# Altium PCB BatteryMonitor1try.PcbDoc (continued)
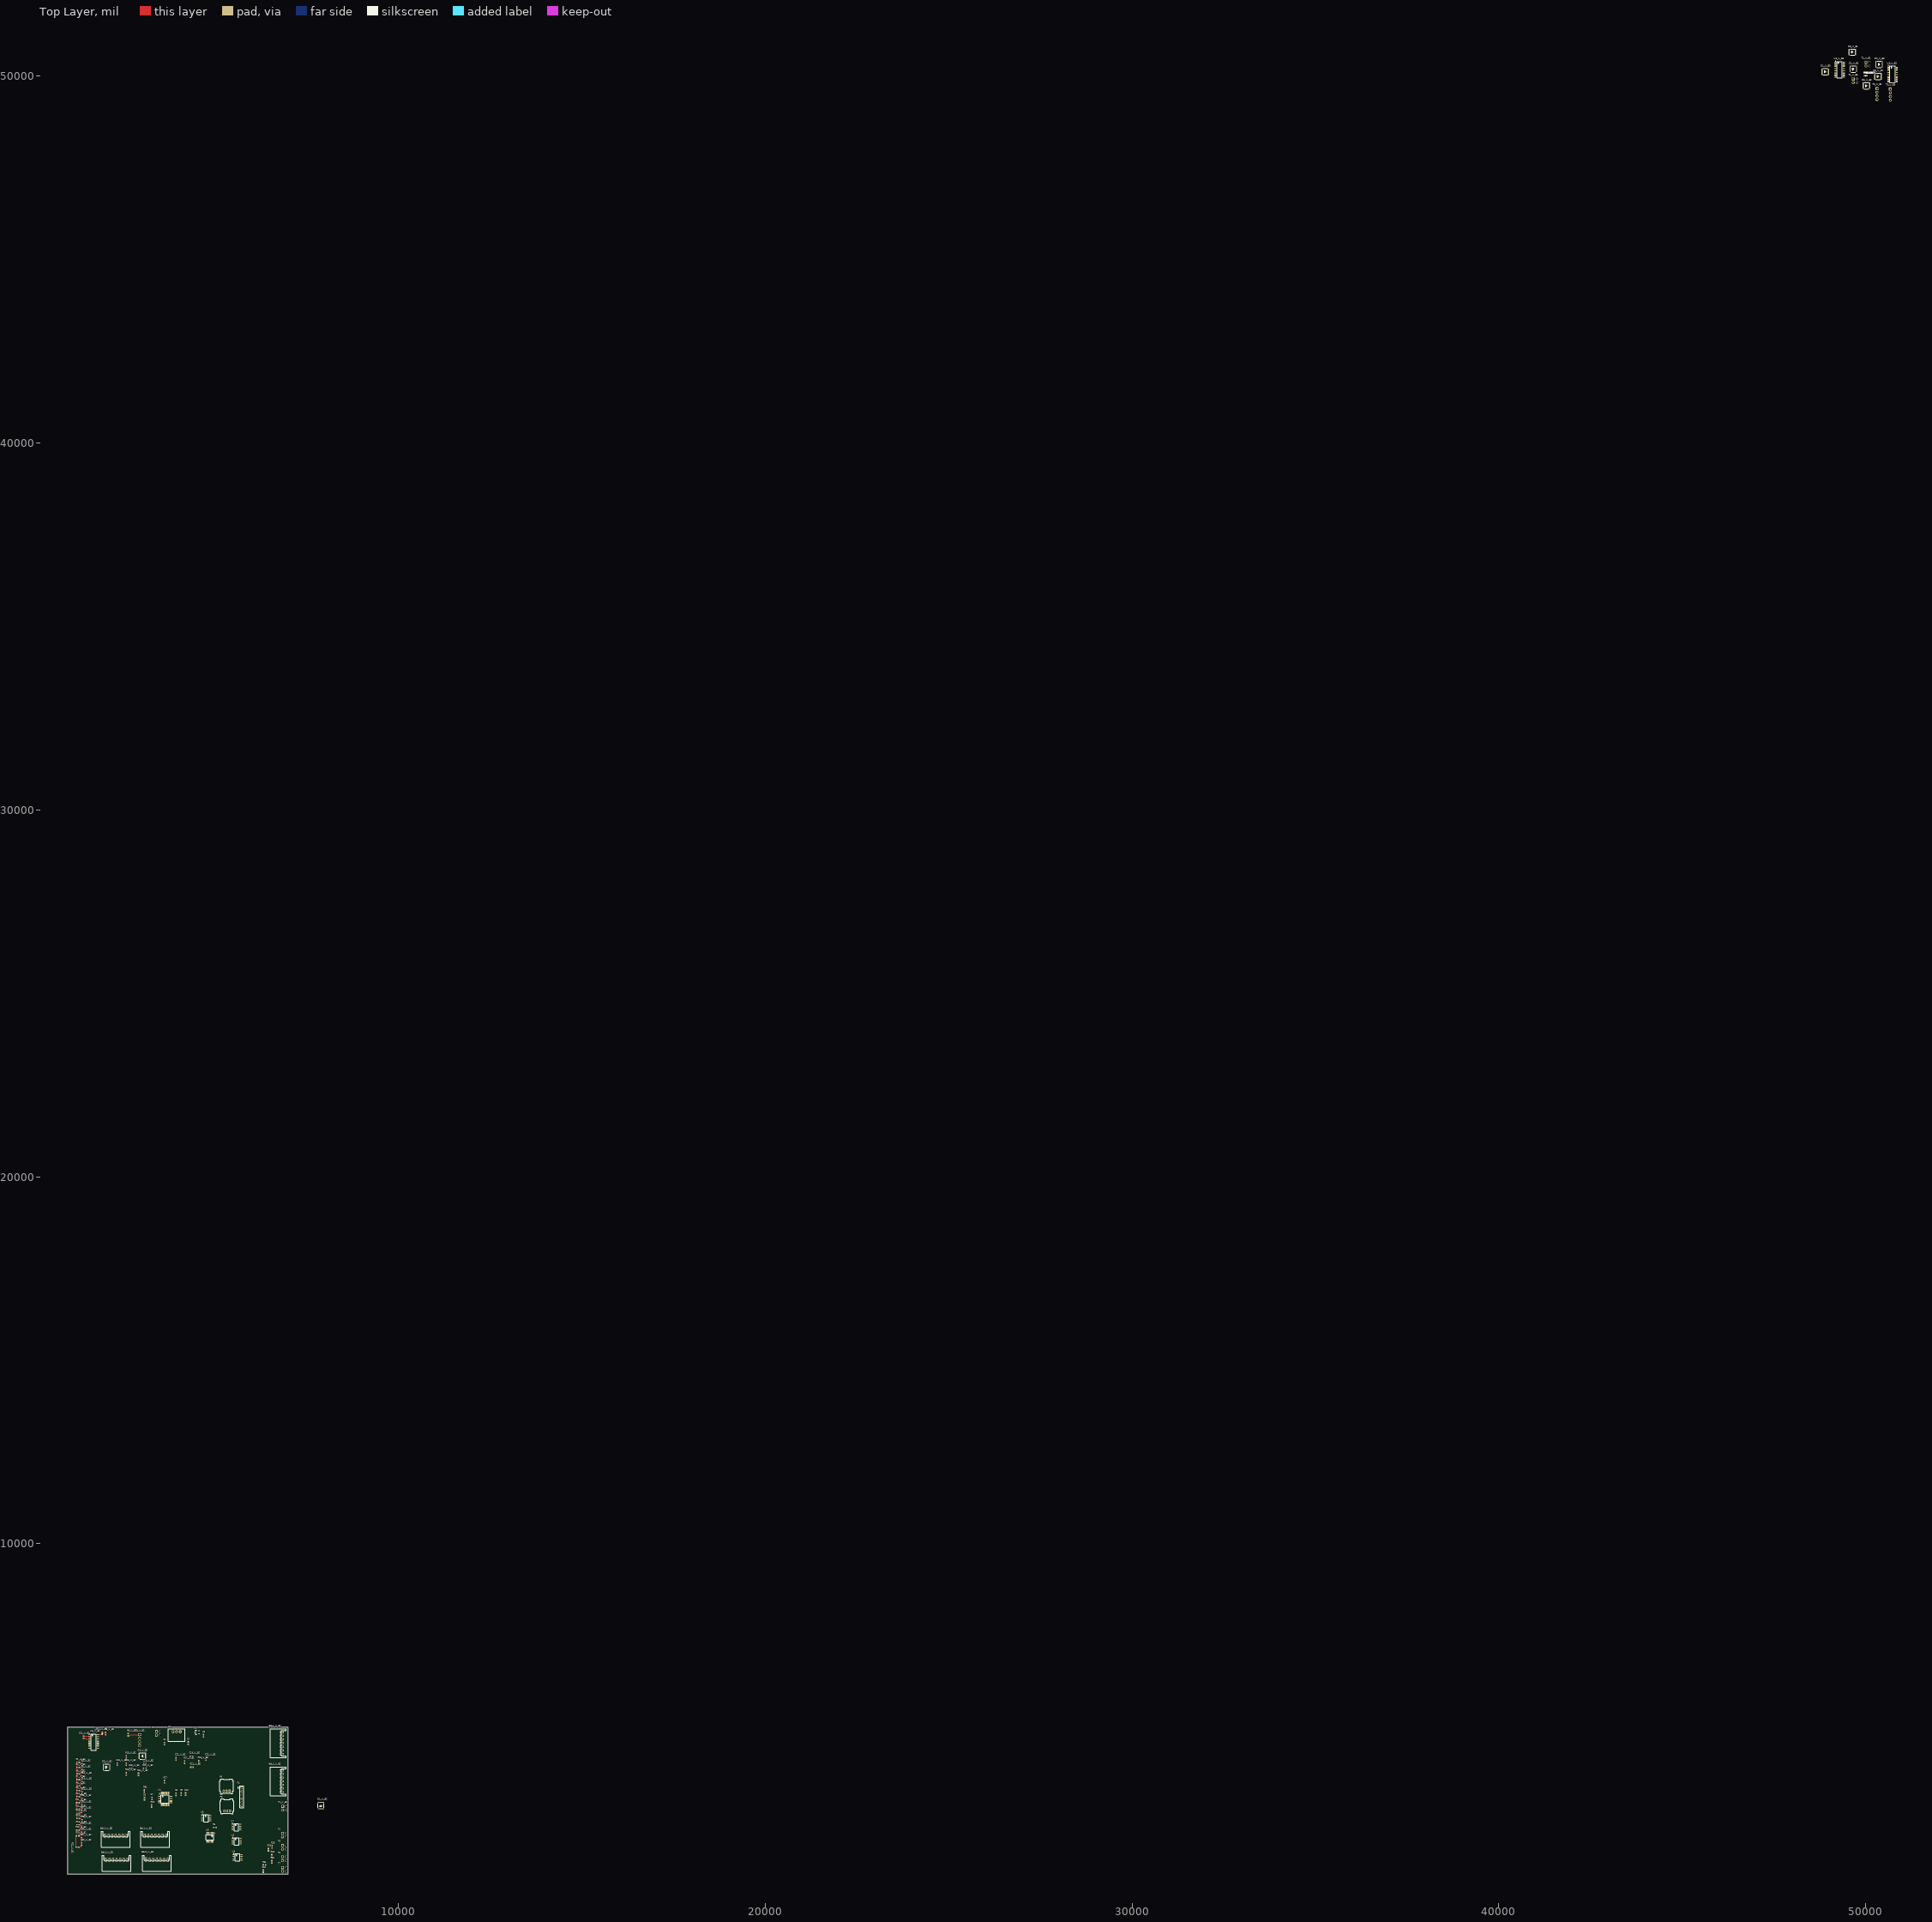
[diagram p0: Top Layer view]
## Components (designator, comment, footprint, x,y, rotation, side; value= is the part's Value field where it differs from the comment) (continued)
LED1_U_B2 "LED" LED0603 1945,4835 r90 top (schematic designator LED1)
LED1_U_B3 "LED" LED0603 49999.5,49999.5 r0 top (schematic designator LED1)
P4 "SWD" SWD_STM32 5745,3355 r0 top
P5 "RS485" MOLEX-HDR-1X3-SHERLOCK-RA 5425,2720 r0 top
P6 "RS485_I" MOLEX-HDR-1X3-SHERLOCK-RA 5410,3265 r0 top
R1_U_B1 "Res" RES0603 49999.5,49999.5 r0 top (schematic designator R1)
R1_U_B2 "Res" RES0603 1285,4040 r0 top (schematic designator R1)
R1_U_B3 "Res" RES0603 49999.5,49999.5 r0 top (schematic designator R1)
R2_U_B1 "Res" RES0603 49999.5,49999.5 r0 top (schematic designator R2)
R2_U_B2 "Res" RES0603 2035,4835 r270 top (schematic designator R2)
R2_U_B3 "Res" RES0603 49999.5,49999.5 r0 top (schematic designator R2)
R3 "Res" RES0603 5015,2275 r0 top
R4_U_B1 "Res" RES0603 49999.5,49999.5 r0 top (schematic designator R4)
R4_U_B2 "Res" RES0603 1285,3910 r0 top (schematic designator R4)
R4_U_B3 "Res" RES0603 49999.5,49999.5 r0 top (schematic designator R4)
R5_U_B1 "Res" RES0603 49999.5,49999.5 r0 top (schematic designator R5)
R5_U_B2 "Res" RES0603 1290,3735 r0 top (schematic designator R5)
R5_U_B3 "Res" RES0603 49999.5,49999.5 r0 top (schematic designator R5)
R6_U_B1 "Res" RES0603 49999.5,49999.5 r0 top (schematic designator R6)
R6_U_B2 "Res" RES0603 2650,4800 r90 top (schematic designator R6)
R6_U_B3 "Res" RES0603 49999.5,49999.5 r0 top (schematic designator R6)
R7_U_B1 "Res" RES0603 49999.5,49999.5 r0 top (schematic designator R7)
R7_U_B2 "Res" RES0603 1285,3575 r0 top (schematic designator R7)
R7_U_B3 "Res" RES0603 49999.5,49999.5 r0 top (schematic designator R7)
R8_U_B1 "Res" RES0603 49999.5,49999.5 r0 top (schematic designator R8)
R8_U_B2 "Res" RES0603 1290,3405 r0 top (schematic designator R8)
R8_U_B3 "Res" RES0603 49999.5,49999.5 r0 top (schematic designator R8)
R9_U_B1 "Res" RES0603 49999.5,49999.5 r0 top (schematic designator R9)
R9_U_B2 "Res" RES0603 1285,3275 r0 top (schematic designator R9)
R9_U_B3 "Res" RES0603 49999.5,49999.5 r0 top (schematic designator R9)
R10_U_B1 "Res" RES0603 49999.5,49999.5 r0 top (schematic designator R10)
R10_U_B2 "Res" RES0603 1285,3115 r0 top (schematic designator R10)
R10_U_B3 "Res" RES0603 49999.5,49999.5 r0 top (schematic designator R10)
R11_U_B1 "Res" RES0603 49999.5,49999.5 r0 top (schematic designator R11)
R11_U_B2 "Res" RES0603 1280,2945 r0 top (schematic designator R11)
R11_U_B3 "Res" RES0603 49999.5,49999.5 r0 top (schematic designator R11)
R12_U_B1 "Res" RES0603 49999.5,49999.5 r0 top (schematic designator R12)
R12_U_B2 "Res" RES0603 1280,2770 r0 top (schematic designator R12)
R12_U_B3 "Res" RES0603 49999.5,49999.5 r0 top (schematic designator R12)
R13_U_B1 "Res" RES0603 49999.5,49999.5 r0 top (schematic designator R13)
R13_U_B2 "Res" RES0603 2595,4190 r90 top (schematic designator R13)
R13_U_B3 "Res" RES0603 49999.5,49999.5 r0 top (schematic designator R13)
R14_U_B1 "Res" RES0603 49999.5,49999.5 r0 top (schematic designator R14)
R14_U_B2 "Res" RES0603 1285,2650 r0 top (schematic designator R14)
R14_U_B3 "Res" RES0603 49999.5,49999.5 r0 top (schematic designator R14)
R15_U_B1 "Res" RES0603 49999.5,49999.5 r0 top (schematic designator R15)
R15_U_B2 "Res" RES0603 1285,2520 r0 top (schematic designator R15)
R15_U_B3 "Res" RES0603 49999.5,49999.5 r0 top (schematic designator R15)
R16_U_B1 "Res" RES0603 49999.5,49999.5 r0 top (schematic designator R16)
R16_U_B2 "Res" RES0603 1285,2345 r0 top (schematic designator R16)
R16_U_B3 "Res" RES0603 49999.5,49999.5 r0 top (schematic designator R16)
R17_U_B1 "Res" RES0603 49999.5,49999.5 r0 top (schematic designator R17)
R17_U_B2 "Res" RES0603 4190,4050 r90 top (schematic designator R17)
R17_U_B3 "Res" RES0603 49999.5,49999.5 r0 top (schematic designator R17)
R18_U_B1 "Res" RES0603 49999.5,49999.5 r0 top (schematic designator R18)
R18_U_B2 "Res" RES0603 4570,4060 r90 top (schematic designator R18)
R18_U_B3 "Res" RES0603 49999.5,49999.5 r0 top (schematic designator R18)
R19_U_B1 "Res" RES0603 49999.5,49999.5 r0 top (schematic designator R19)
R19_U_B2 "Res" RES0603 1280,2195 r0 top (schematic designator R19)
R19_U_B3 "Res" RES0603 49999.5,49999.5 r0 top (schematic designator R19)
R20_U_B1 "Res" RES0603 49999.5,49999.5 r0 top (schematic designator R20)
R20_U_B2 "Res" RES0603 1275,2045 r0 top (schematic designator R20)
R20_U_B3 "Res" RES0603 49999.5,49999.5 r0 top (schematic designator R20)
R21_U_B1 "Res" RES0603 49999.5,49999.5 r0 top (schematic designator R21)
R21_U_B2 "Res" RES0603 4390,3915 r180 top (schematic designator R21)
R21_U_B3 "Res" RES0603 49999.5,49999.5 r0 top (schematic designator R21)
R22_U_B1 "Res" RES0603 49999.5,49999.5 r0 top (schematic designator R22)
R22_U_B2 "Res" RES0603 1265,1735 r0 top (schematic designator R22)
R22_U_B3 "Res" RES0603 49999.5,49999.5 r0 top (schematic designator R22)
R23_U_B1 "Res" RES0603 49999.5,49999.5 r0 top (schematic designator R23)
R23_U_B2 "Res" RES0603 2595,3730 r90 top (schematic designator R23)
R23_U_B3 "Res" RES0603 49999.5,49999.5 r0 top (schematic designator R23)
R24_U_B1 "Res" RES0603 49999.5,49999.5 r0 top (schematic designator R24)
R24_U_B2 "Res" RES0603 2930,3715 r90 top (schematic designator R24)
R24_U_B3 "Res" RES0603 49999.5,49999.5 r0 top (schematic designator R24)
R25 "Res" RES0603 6570,1745 r90 top
R26 "Res" RES0603 6470,1665 r90 top
R27 "Res" RES0603 3635,3520 r90 top
R28 "Res" RES0603 6565,1500 r90 top
R29 "Res" RES0603 3285,2855 r90 top
R30 "Res" RES0603 6565,1335 r90 top
R31 "Res" RES0603 6365,1250 r0 top
R32 "Res" RES0603 6330,1080 r90 top
T1_U_B1 "1725656" 1725656 50000,50360 r0 top (schematic designator T1)
T1_U_B2 "1725656" 1725656 6860,2845 r0 top (schematic designator T1)
T1_U_B3 "1725656" 1725656 49655,49905 r0 top (schematic designator T1)
T2 "1725656" 1725656 3420,4885 r0 top
T3_U_B1 "1725672" 1725672 50300,49645 r0 top (schematic designator T3)
T3_U_B2 "1725672" 1725672 2960,4800 r0 top (schematic designator T3)
T3_U_B3 "1725672" 1725672 50665,49630 r0 top (schematic designator T3)
T4 "1725656" 1725656 6855,2115 r0 top
T5 "1725656" 1725656 6855,1780 r0 top
T6 "1725656" 1725656 6855,1470 r0 top
T7 "1725656" 1725656 6855,1175 r0 top
U1 "R-78C5.0-1.0" R-78C5.0-1.0 4070,4880 r180 top
U2 "MCP1703AT" MCP1703AT-xx02EDB 4525,4865 r180 top
U3_U_B1 "BQ76940" BQ7694003DBT 50725,50035 r0 top (schematic designator U3)
U3_U_B2 "BQ76940" BQ7694003DBT 1710,4595 r0 top (schematic designator U3)
U3_U_B3 "BQ76940" BQ7694003DBT 49285,50160 r0 top (schematic designator U3)
U4 "STM32F072CB" STM32F072CB 3660,3050 r0 top
U5 "SP3485" SP3485 4775,2525 r0 top
U6 "TCA9546APWR" TCA9546APWR/TSOP65P640X120-16N 4875,2000 r270 top
U7 "ISO1540DR" ISO1540DR 5600,2280 r0 top
U8 "ISO1540DR" ISO1540DR 5605,1895 r0 top
U9 "ISO1540DR" ISO1540DR 5630,1455 r0 top

## Footprints (in the part's own frame and the unit in brackets; to place one, negate y for a bottom-side part, rotate by r counter-clockwise, add the part's x,y. Pads: shape width x height; smd on the part's side, far side on the other; paste and mask are expansions set on the pad)
1725656 [mm] "CONN TERM BLOCK 2.54MM 2POS"
  rect 2x2 hole 1.2: 1(0,0)
  round 2 hole 1.2: 2(0,-2.54)
1725672 [mm] "CONN TERM BLOCK 2.54MM 2POS"
  rect 2x2 hole 1.2: 1(0,0)
  round 2 hole 1.2: 2(0,-2.54) 3(0,-5.08) 4(0,-7.62)
BQ7694003DBT [mm] "TSSOP, 44-Leads, Body 11.15x4.40mm, Pitch 0.50mm, IPC Medium Density"
  oval 1.4x0.3 smd: 1(-2.95,5.25) 2(-2.95,4.75) 3(-2.95,4.25) 4(-2.95,3.75) 5(-2.95,3.25) 6(-2.95,2.75) 7(-2.95,2.25) 8(-2.95,1.75) 9(-2.95,1.25) 10(-2.95,0.75) 11(-2.95,0.25) 12(-2.95,-0.25) 13(-2.95,-0.75) 14(-2.95,-1.25) 15(-2.95,-1.75) 16(-2.95,-2.25) 17(-2.95,-2.75) 18(-2.95,-3.25) 19(-2.95,-3.75) 20(-2.95,-4.25) 21(-2.95,-4.75) 22(-2.95,-5.25) 23(2.95,-5.25) 24(2.95,-4.75) 25(2.95,-4.25) 26(2.95,-3.75) 27(2.95,-3.25) 28(2.95,-2.75) 29(2.95,-2.25) 30(2.95,-1.75) 31(2.95,-1.25) 32(2.95,-0.75) 33(2.95,-0.25) 34(2.95,0.25) 35(2.95,0.75) 36(2.95,1.25) 37(2.95,1.75) 38(2.95,2.25) 39(2.95,2.75) 40(2.95,3.25) 41(2.95,3.75) 42(2.95,4.25) 43(2.95,4.75) 44(2.95,5.25)
  silkscreen extent -3.07,-5.7 1.85,6.07, body extent -2.25,-5.7 2.25,5.7, height 1.2
CAPC0603 [mm] "Chip Capacitor, 2-Leads, Body 1.60x0.80mm, IPC Medium Density"
  rect 1x0.95 smd: 1(-0.8,0) 2(0.8,0)
  body extent -0.88,-0.48 0.87,0.48, height 0.8
ISO1540DR [mm] "SOIC, 8-Leads, Body 4.90x3.90mm, Pitch 1.27mm, IPC Medium Density"
  oval 1.45x0.6 smd: 1(-2.725,1.905) 2(-2.725,0.635) 3(-2.725,-0.635) 4(-2.725,-1.905) 5(2.725,-1.905) 6(2.725,-0.635) 7(2.725,0.635) 8(2.725,1.905)
  silkscreen extent -2.85,-2.5 1.57,2.88, body extent -2.03,-2.5 1.97,2.5, height 1.75
JST1x7 [mm]
  rect 1.5x1.5 hole 0.9: 1(0,0)
  round 1.5 hole 0.9: 2(2.5,0) 3(5,0) 4(7.5,0) 5(10,0) 6(12.5,0) 7(15,0)
  silkscreen extent -2.4,-8.7 17.43,2.2, body extent -2.45,-9.2 22.45,2.35, height 6.17
LED0603 [mm] "Chip LED, 2-Leads, Body 1.60x0.80mm, IPC Medium Density"
  rect 0.8x0.8 smd: A(-0.825,0) C(0.825,0)
  silkscreen extent -0.13,-0.25 0.12,0.25, body extent -0.88,-0.48 0.87,0.47, height 0.8
MCP1703AT-xx02EDB [mm] "SOT23, 3-Leads, Body 2.90x2.55mm, Pitch 0.95mm, IPC Medium Density"
  rect 1x0.6 smd: 1(-1.35,0.95) 2(-1.35,-0.95) 3(1.35,0)
  silkscreen extent 0.3,-1.55 0.9,1.55, body extent -0.9,-1.55 0.9,1.55, height 1.45
MOLEX-HDR-1X3-SHERLOCK-RA [mm]
  rect 1.397x1.905 hole 0.8: 1(0,0)
  oval 1.397x1.905 hole 0.8: 2(-2,0) 3(-4,0)
  silkscreen extent -6.86,-2.03 2.79,8.38, body extent -6.88,-1.99 2.82,8.51, height 5.75
R-78C5.0-1.0 [mm] "CONV DC/DC 1A 5V OUT SIP VERT"
  round 2 hole 1: 1(0,0) 2(2.54,0)
  round 2 hole 1.15: 3(5.08,0)
  silkscreen extent -3.26,-2 8.34,6.5, body extent -3.2,-1.9 8.3,6.5, height 10.8
RES0603 [mm] "Chip Resistor, 2-Leads, Body 1.60x0.80mm, IPC Medium Density"
  rect 1.05x1 smd: 1(-0.8,0) 2(0.8,0)
  body extent -0.88,-0.48 0.87,0.47, height 0.8
SP3485 [mm] "SOIC, 8-Leads, Body 4.90x3.90mm, Pitch 1.27mm, IPC Medium Density"
  oval 1.55x0.6 smd: 1(-2.7,1.905) 2(-2.7,0.635) 3(-2.7,-0.635) 4(-2.7,-1.905) 5(2.7,-1.905) 6(2.7,-0.635) 7(2.7,0.635) 8(2.7,1.905)
  silkscreen extent -2.82,-2.45 1.55,2.88, body extent -1.95,-2.45 1.95,2.45, height 1.75
STM32F072CB [mm] "TSQFP, 48-Leads, Body 7.00x7.00mm, Pitch 0.50mm, IPC Medium Density"
  oval 1.75x0.3 smd: 1(-4.075,2.75) 2(-4.075,2.25) 3(-4.075,1.75) 4(-4.075,1.25) 5(-4.075,0.75) 6(-4.075,0.25) 7(-4.075,-0.25) 8(-4.075,-0.75) 9(-4.075,-1.25) 10(-4.075,-1.75) 11(-4.075,-2.25) 12(-4.075,-2.75) 25(4.075,-2.75) 26(4.075,-2.25) 27(4.075,-1.75) 28(4.075,-1.25) 29(4.075,-0.75) 30(4.075,-0.25) 31(4.075,0.25) 32(4.075,0.75) 33(4.075,1.25) 34(4.075,1.75) 35(4.075,2.25) 36(4.075,2.75)
  oval 0.3x1.75 smd: 13(-2.75,-4.075) 14(-2.25,-4.075) 15(-1.75,-4.075) 16(-1.25,-4.075) 17(-0.75,-4.075) 18(-0.25,-4.075) 19(0.25,-4.075) 20(0.75,-4.075) 21(1.25,-4.075) 22(1.75,-4.075) 23(2.25,-4.075) 24(2.75,-4.075) 37(2.75,4.075) 38(2.25,4.075) 39(1.75,4.075) 40(1.25,4.075) 41(0.75,4.075) 42(0.25,4.075) 43(-0.25,4.075) 44(-0.75,4.075) 45(-1.25,4.075) 46(-1.75,4.075) 47(-2.25,4.075) 48(-2.75,4.075)
  silkscreen extent -4.2,-2.8 2.8,3.57, body extent -3.5,-3.5 3.5,3.5, height 1.6
SWD_STM32 [mil] "SWD connector matching the pinout on STM Discovery Boards"
  rect 60x60 hole 39.37: 1(0,0)
  round 60 hole 39.37: 2(0,-100) 3(0,-200) 4(0,-300) 5(0,-400) 6(0,-500)
  silkscreen extent -110,-550 50,50
TCA9546APWR/TSOP65P640X120-16N [mm] "TSOP, 16-Leads, Body 5.00x4.40mm, Pitch 0.65mm, IPC Medium Density"
  oval 1.4x0.45 smd: 1(-2.95,2.275) 2(-2.95,1.625) 3(-2.95,0.975) 4(-2.95,0.325) 5(-2.95,-0.325) 6(-2.95,-0.975) 7(-2.95,-1.625) 8(-2.95,-2.275) 9(2.95,-2.275) 10(2.95,-1.625) 11(2.95,-0.975) 12(2.95,-0.325) 13(2.95,0.325) 14(2.95,0.975) 15(2.95,1.625) 16(2.95,2.275)
  silkscreen extent -3.07,-2.55 1.85,3.17, body extent -2.3,-2.8 2.2,2.3, height 1.2
TEMD5510FX01 [mm] "PHOTODIODE PIN HI SPEED MINI SMD"
  rect 0.75x4.55 smd: A(-2.225,0) C(2.225,0)
  silkscreen extent -1.55,-2.18 1.55,2.17, body extent -2.57,-2.2 2.58,2.19, height 1.12

## Part data
BAL1_U_B1 BAL1_U_B2 BAL1_U_B3 BAL2_U_B1 BAL2_U_B2 BAL2_U_B3: "CONN HEADER XH SIDE 7POS 2.5MM"
D1_U_B1 D1_U_B2 D1_U_B3 D2_U_B1 D2_U_B2 D2_U_B3 D3_U_B1 D3_U_B2 D3_U_B3: "Standard Diode Template"
FB1: "Ferrite Bead"
P4: library part SWD_STM32, "SWD connector matching the pinout on STM Discovery Boards"
P5 P6: library part MOLEX-HDR-1x3-SHERLOCK_RA, "Header, Molex, 2mm Pitch Sherlock Header, Single Row, Right Angle 3 Circuits, Length 3.3mm"
T1_U_B1 T1_U_B2 T1_U_B3 T2 T4 T5 T6 T7: "CONN TERM BLOCK 2.54MM 2POS"
T3_U_B1 T3_U_B2 T3_U_B3: "CONN TERM BLOCK 2.54MM 4POS"
U1: "CONV DC/DC 1A 5V OUT SIP VERT"
U2: "250 mA, 16V, Low Quiescent Current LDO Regulator"
U3_U_B1 U3_U_B2 U3_U_B3: "IC BATT MFMT LI-ION AFE 44TSOP"
U4: "MCU 32BIT 128KB FLASH 48LQFP"
U5: "IC TXRX RS485 HALF DUPLEX 8NSOIC"
U6: "IC I2C SW 4CH W/RESET 16TSSOP"
U7 U8 U9: "DGTL ISO 2.5KV 2CH I2C 8SOIC"

## Via types
v1: diameter 70, hole 50, Top Layer to Bottom Layer, tented both sides, 16 vias

## Nets (pads, with @x,y where several pads share a name; then routed paths per layer and width w, separated by ;. In a path a pad name is that pad's centre, name@x,y a point inside that pad or via, vN(x,y) a via of type N, cw(c..) or ccw(c..) an arc to the next point about the centre after c; other vN are vias at no path point)
3V3: C3.1 C8.1 C9.1 C10.1 FB1.2 P4.1 R3.1 R26.2 R29.1 R30.2 R31.1 R32.2 U2.2 U4.1 U4.24 U4.36 U4.48 U5.8 U6.16 U7.8 U8.8 U9.8
48GND: T4.2 U7.4 U8.4 U9.4
48V: R25.1 R28.1 T4.1 U7.1 U8.1 U9.1
A: P5.3 P6.3 U5.6
B: P5.2 P6.2 U5.7
BAT_U_B1: C25_U_B1.1 D1_U_B1.C R13_U_B1.2 U3_U_B1.20
BAT_U_B2: C25_U_B2.1 D1_U_B2.C R13_U_B2.2 U3_U_B2.20
BAT_U_B3: C25_U_B3.1 D1_U_B3.C R13_U_B3.2 U3_U_B3.20
CAP2_U_B1: C23_U_B1.2 U3_U_B1.14
CAP2_U_B2: C23_U_B2.2 U3_U_B2.14
CAP2_U_B3: C23_U_B3.2 U3_U_B3.14
CAP3_U_B1: C24_U_B1.1 U3_U_B1.19
CAP3_U_B2: C24_U_B2.1 U3_U_B2.19
CAP3_U_B3: C24_U_B3.1 U3_U_B3.19
"CELL 1_U_B1": BAL1_U_B1.6
"CELL 1_U_B2": BAL1_U_B2.6
"CELL 1_U_B3": BAL1_U_B3.6
"CELL 2_U_B1": BAL1_U_B1.5 R19_U_B1.1
"CELL 2_U_B2": BAL1_U_B2.5 R19_U_B2.1
"CELL 2_U_B3": BAL1_U_B3.5 R19_U_B3.1
"CELL 3_U_B1": BAL1_U_B1.4 R16_U_B1.1
"CELL 3_U_B2": BAL1_U_B2.4 R16_U_B2.1
"CELL 3_U_B3": BAL1_U_B3.4 R16_U_B3.1
"CELL 4_U_B1": BAL1_U_B1.1 BAL1_U_B1.2 BAL1_U_B1.3 BAL2_U_B1.1 BAL2_U_B1.2 BAL2_U_B1.3 BAL2_U_B1.4 BAL2_U_B1.5 BAL2_U_B1.6 R1_U_B1.1 R4_U_B1.1 R5_U_B1.1 R7_U_B1.1 R8_U_B1.1 R9_U_B1.1 R10_U_B1.1 R11_U_B1.1 R12_U_B1.1 R13_U_B1.1 R14_U_B1.1 R15_U_B1.1 R24_U_B1.2
"CELL 4_U_B2": BAL1_U_B2.1 BAL1_U_B2.2 BAL1_U_B2.3 BAL2_U_B2.1 BAL2_U_B2.2 BAL2_U_B2.3 BAL2_U_B2.4 BAL2_U_B2.5 BAL2_U_B2.6 R1_U_B2.1 R4_U_B2.1 R5_U_B2.1 R7_U_B2.1 R8_U_B2.1 R9_U_B2.1 R10_U_B2.1 R11_U_B2.1 R12_U_B2.1 R13_U_B2.1 R14_U_B2.1 R15_U_B2.1 R24_U_B2.2 | length 1399.1
  Top Layer w10: R12_U_B2.1 1253.5,2775 R10_U_B2.1 R9_U_B2.1 ; R15_U_B2.1 R14_U_B2.1 ; R1_U_B2.1 R4_U_B2.1 R7_U_B2.1 1253.5,3410 R8_U_B2.1 R9_U_B2.1@1258.5,3280
"CELL 4_U_B3": BAL1_U_B3.1 BAL1_U_B3.2 BAL1_U_B3.3 BAL2_U_B3.1 BAL2_U_B3.2 BAL2_U_B3.3 BAL2_U_B3.4 BAL2_U_B3.5 BAL2_U_B3.6 R1_U_B3.1 R4_U_B3.1 R5_U_B3.1 R7_U_B3.1 R8_U_B3.1 R9_U_B3.1 R10_U_B3.1 R11_U_B3.1 R12_U_B3.1 R13_U_B3.1 R14_U_B3.1 R15_U_B3.1 R24_U_B3.2
DE/RE: U4.14 U5.2
ENABLE: U4.20
GND: BAL1_U_B1.7 BAL1_U_B2.7 BAL1_U_B3.7 BAL2_U_B1.7 BAL2_U_B2.7 BAL2_U_B3.7 C6.2 C7.2 C8.2 C9.2 C10.2 C11_U_B1.1 C11_U_B2.1 C11_U_B3.1 C21_U_B1.2 C21_U_B2.2 C21_U_B3.2 C22_U_B1.2 C22_U_B2.2 C22_U_B3.2 C27_U_B1.1 C27_U_B2.1 C27_U_B3.1 C29_U_B1.2 C29_U_B2.2 C29_U_B3.2 C30_U_B1.2 C30_U_B2.2 C30_U_B3.2 P4.3 P5.1 P6.1 R2_U_B1.2 R2_U_B2.2 R2_U_B3.2 R17_U_B1.2 R17_U_B2.2 R17_U_B3.2 R18_U_B1.2 R18_U_B2.2 R18_U_B3.2 R20_U_B1.1 R20_U_B2.1 R20_U_B3.1 R21_U_B1.1 R21_U_B1.2 R21_U_B2.1 R21_U_B2.2 R21_U_B3.1 R21_U_B3.2 R22_U_B1.1 R22_U_B2.1 R22_U_B3.1 R27.2 T3_U_B1.2 T3_U_B2.2 T3_U_B3.2 U3_U_B1.3 U3_U_B2.3 U3_U_B3.3 U4.8 U4.23 U4.35 U4.47 U5.5 U6.1 U6.2 U6.8 U6.11 U6.12 U6.13 U7.5 U8.5 U9.5 | length 546.3
  Top Layer w10: R22_U_B2.1 1233.5,2035 R20_U_B2.1 ; C27_U_B2.1 1380,1856.5 C30_U_B2.2 ; C11_U_B2.1 U3_U_B2.3@1593.03,4761.5
HARDKILL: U4.12
NetC1_1: C1.1 T2.2 U1.1
NetC1_2: C1.2 C2.2 T2.1 U1.2
NetC2_1: C2.1 U1.3 U2.3
NetC3_2: C3.2 U2.1
NetC6_1: C6.1 C7.1 FB1.1 U4.9
NetC11_U_B1_2: C11_U_B1.2 U3_U_B1.7
NetC11_U_B2_2: C11_U_B2.2 U3_U_B2.7 | length 164.2
  Top Layer w10: C11_U_B2.2@1436.5,4700 1490,4700 1506.42,4683.58 U3_U_B2.7
NetC11_U_B3_2: C11_U_B3.2 U3_U_B3.7
NetC19_U_B1_2: C19_U_B1.2 C22_U_B1.1
NetC19_U_B2_2: C19_U_B2.2 C22_U_B2.1
NetC19_U_B3_2: C19_U_B3.2 C22_U_B3.1
NetC28_U_B1_2: C28_U_B1.2 C29_U_B1.1
NetC28_U_B2_2: C28_U_B2.2 C29_U_B2.1
NetC28_U_B3_2: C28_U_B3.2 C29_U_B3.1
NetLED1_U_B1_A: LED1_U_B1.A U3_U_B1.44
NetLED1_U_B1_C: LED1_U_B1.C R2_U_B1.1
NetLED1_U_B2_A: LED1_U_B2.A U3_U_B2.44 | length 118
  Top Layer w10: U3_U_B2.44 LED1_U_B2.A@1944.17,4801.69
NetLED1_U_B2_C: LED1_U_B2.C R2_U_B2.1 | length 89
  Top Layer w10: LED1_U_B2.C R2_U_B2.1@2034.02,4867.48
NetLED1_U_B3_A: LED1_U_B3.A U3_U_B3.44
NetLED1_U_B3_C: LED1_U_B3.C R2_U_B3.1
NetR3_2: R3.2 U6.3
NetR27_1: R27.1 U4.44
RSTN: P4.5 R29.2 U4.7
SCL1CONNECT: R25.2 T1_U_B1.2 T5.1 U7.3
SCL2CONNECT: R28.2 T1_U_B2.2 T6.1 U8.3
SCL3CONNECT: R31.2 T1_U_B3.2 T7.1 U9.3
"SCL TO I2C MUX 1": U6.5 U7.6
"SCL TO I2C MUX 2": U6.7 U8.6
"SCL TO I2C MUX 3": U6.10 U9.6
"SCL TO MICRO": U4.21 U6.14
SCL_U_B1: U3_U_B1.5
SCL_U_B2: U3_U_B2.5
SCL_U_B3: U3_U_B3.5
SDA1CONNECT: R26.1 T1_U_B1.1 T5.2 U7.2
SDA2CONNECT: R30.1 T1_U_B2.1 T6.2 U8.2
SDA3CONNECT: R32.1 T1_U_B3.1 T7.2 U9.2
"SDA TO I2C MUX 1": U6.4 U7.7
"SDA TO I2C MUX 2": U6.6 U8.7
"SDA TO I2C MUX 3": U6.9 U9.7
"SDA TO MICRO": U4.22 U6.15
SDA_U_B1: U3_U_B1.4
SDA_U_B2: U3_U_B2.4
SDA_U_B3: U3_U_B3.4
SOFTKILL: U4.13
SRN_U_B1: R18_U_B1.1 U3_U_B1.43
SRN_U_B2: R18_U_B2.1 U3_U_B2.43
SRN_U_B3: R18_U_B3.1 U3_U_B3.43
SRP_U_B1: C19_U_B1.1 C21_U_B1.1 R17_U_B1.1 U3_U_B1.42
SRP_U_B2: C19_U_B2.1 C21_U_B2.1 R17_U_B2.1 U3_U_B2.42
SRP_U_B3: C19_U_B3.1 C21_U_B3.1 R17_U_B3.1 U3_U_B3.42
SWCLK: P4.2 U4.37
SWDIO: P4.4 U4.34
TS1_U_B1: R6_U_B1.1 T3_U_B1.1 U3_U_B1.6
TS1_U_B2: R6_U_B2.1 T3_U_B2.1 U3_U_B2.6 | length 323
  Top Layer w10: R6_U_B2.1 2693.5,4768.5 2725,4800 T3_U_B2.1
TS1_U_B3: R6_U_B3.1 T3_U_B3.1 U3_U_B3.6
"TS2 OUT_U_B1": C23_U_B1.1 D2_U_B1.C R24_U_B1.1 T3_U_B1.4 U3_U_B1.10
"TS2 OUT_U_B2": C23_U_B2.1 D2_U_B2.C R24_U_B2.1 T3_U_B2.4 U3_U_B2.10
"TS2 OUT_U_B3": C23_U_B3.1 D2_U_B3.C R24_U_B3.1 T3_U_B3.4 U3_U_B3.10
TS2_U_B1: T3_U_B1.3 U3_U_B1.13
TS2_U_B2: T3_U_B2.3 U3_U_B2.13
TS2_U_B3: T3_U_B3.3 U3_U_B3.13
USARTRX: U4.31 U5.1
USARTTX: U4.30 U5.4
VC0_U_B1: C30_U_B1.1 R22_U_B1.2 U3_U_B1.41
VC0_U_B2: C30_U_B2.1 R22_U_B2.2 U3_U_B2.41 | length 110.7
  Top Layer w10: R22_U_B2.2 1331.5,1735 C30_U_B2.1
VC0_U_B3: C30_U_B3.1 R22_U_B3.2 U3_U_B3.41
VC1A_U_B1: C26_U_B1.1 C27_U_B1.2 R6_U_B1.2 R20_U_B1.2 U3_U_B1.40
VC1A_U_B2: C26_U_B2.1 C27_U_B2.2 R6_U_B2.2 R20_U_B2.2 U3_U_B2.40 | length 187.2
  Top Layer w10: C27_U_B2.2 1321.5,2045 R20_U_B2.2 1345,2083.5 C26_U_B2.1
VC1A_U_B3: C26_U_B3.1 C27_U_B3.2 R6_U_B3.2 R20_U_B3.2 U3_U_B3.40
VC2_U_B1: C20_U_B1.1 C26_U_B1.2 R19_U_B1.2 U3_U_B1.39
VC2_U_B2: C20_U_B2.1 C26_U_B2.2 R19_U_B2.2 U3_U_B2.39 | length 180.1
  Top Layer w10: C26_U_B2.2 1331.5,2195 R19_U_B2.2 1355,2238.5 C20_U_B2.1
VC2_U_B3: C20_U_B3.1 C26_U_B3.2 R19_U_B3.2 U3_U_B3.39
VC3_U_B1: C18_U_B1.1 C20_U_B1.2 R16_U_B1.2 U3_U_B1.37 U3_U_B1.38
VC3_U_B2: C18_U_B2.1 C20_U_B2.2 R16_U_B2.2 U3_U_B2.37 U3_U_B2.38 | length 190.5
  Top Layer w10: C20_U_B2.2 1341.5,2345 R16_U_B2.2 C18_U_B2.1
VC3_U_B3: C18_U_B3.1 C20_U_B3.2 R16_U_B3.2 U3_U_B3.37 U3_U_B3.38
"VC5 A_U_B1": R23_U_B1.2
"VC5 A_U_B2": R23_U_B2.2
"VC5 A_U_B3": R23_U_B3.2
VC5_U_B1: C18_U_B1.2 D2_U_B1.A R15_U_B1.2 U3_U_B1.36
VC5_U_B2: C18_U_B2.2 D2_U_B2.A R15_U_B2.2 U3_U_B2.36 | length 89.5
  Top Layer w10: R15_U_B2.2 1351.5,2520 C18_U_B2.2
VC5_U_B3: C18_U_B3.2 D2_U_B3.A R15_U_B3.2 U3_U_B3.36
"VC5B LINE_U_B1": C17_U_B1.1 R14_U_B1.2 U3_U_B1.35
"VC5B LINE_U_B2": C17_U_B2.1 R14_U_B2.2 U3_U_B2.35 | length 82.4
  Top Layer w10: R14_U_B2.2 1350,2683.5 C17_U_B2.1
"VC5B LINE_U_B3": C17_U_B3.1 R14_U_B3.2 U3_U_B3.35
VC10X_U_B1: C24_U_B1.2 C25_U_B1.2 C28_U_B1.1 D3_U_B1.C R23_U_B1.1 U3_U_B1.15
VC10X_U_B2: C24_U_B2.2 C25_U_B2.2 C28_U_B2.1 D3_U_B2.C R23_U_B2.1 U3_U_B2.15
VC10X_U_B3: C24_U_B3.2 C25_U_B3.2 C28_U_B3.1 D3_U_B3.C R23_U_B3.1 U3_U_B3.15
VC11_U_B1: C12_U_B1.1 C13_U_B1.2 R7_U_B1.2
VC11_U_B2: C12_U_B2.1 C13_U_B2.2 R7_U_B2.2 | length 175.1
  Top Layer w10: R7_U_B2.2 1341.5,3575 ; C13_U_B2.2 1341.5,3575 ; C12_U_B2.1 1361.5,3575 1341.5,3575
VC11_U_B3: C12_U_B3.1 C13_U_B3.2 R7_U_B3.2
VC12_U_B1: C5_U_B1.1 C12_U_B1.2 R5_U_B1.2 U3_U_B1.27
VC12_U_B2: C5_U_B2.1 C12_U_B2.2 R5_U_B2.2 U3_U_B2.27 | length 201.3
  Top Layer w10: C12_U_B2.2 1380,3676.5 R5_U_B2.2 1370,3783.5 C5_U_B2.1
VC12_U_B3: C5_U_B3.1 C12_U_B3.2 R5_U_B3.2 U3_U_B3.27
VC13_U_B1: C4_U_B1.1 C5_U_B1.2 R4_U_B1.2 U3_U_B1.25 U3_U_B1.26
VC13_U_B2: C4_U_B2.1 C5_U_B2.2 R4_U_B2.2 U3_U_B2.25 U3_U_B2.26 | length 184.3
  Top Layer w10: R4_U_B2.2 R4_U_B2.2@1336.5,3910 ; C4_U_B2.1 1356.5,3910 R4_U_B2.2@1336.5,3910 ; C5_U_B2.2 R4_U_B2.2@1336.5,3910
VC13_U_B3: C4_U_B3.1 C5_U_B3.2 R4_U_B3.2 U3_U_B3.25 U3_U_B3.26
VC15A_U_B1: C4_U_B1.2 D1_U_B1.A R1_U_B1.2 U3_U_B1.24
VC15A_U_B2: C4_U_B2.2 D1_U_B2.A R1_U_B2.2 U3_U_B2.24 | length 90.3
  Top Layer w10: R1_U_B2.2 1366.5,4040 C4_U_B2.2
VC15A_U_B3: C4_U_B3.2 D1_U_B3.A R1_U_B3.2 U3_U_B3.24
"VC 6 A_U_B1": C16_U_B1.1 C17_U_B1.2 R12_U_B1.2 U3_U_B1.34
"VC 6 A_U_B2": C16_U_B2.1 C17_U_B2.2 R12_U_B2.2 U3_U_B2.34 | length 183.9
  Top Layer w10: C17_U_B2.2 1361.5,2770 R12_U_B2.2 1365,2823.5 C16_U_B2.1
"VC 6 A_U_B3": C16_U_B3.1 C17_U_B3.2 R12_U_B3.2 U3_U_B3.34
"VC 7 A_U_B1": C15_U_B1.1 C16_U_B1.2 R11_U_B1.2 U3_U_B1.33
"VC 7 A_U_B2": C15_U_B2.1 C16_U_B2.2 R11_U_B2.2 U3_U_B2.33 | length 205.5
  Top Layer w10: C16_U_B2.2 1331.5,2945 R11_U_B2.2 1370,3003.5 C15_U_B2.1
"VC 7 A_U_B3": C15_U_B3.1 C16_U_B3.2 R11_U_B3.2 U3_U_B3.33
"VC 8 A_U_B1": C14_U_B1.1 C15_U_B1.2 R10_U_B1.2 U3_U_B1.31 U3_U_B1.32
"VC 8 A_U_B2": C14_U_B2.1 C15_U_B2.2 R10_U_B2.2 U3_U_B2.31 U3_U_B2.32 | length 198.4
  Top Layer w10: C15_U_B2.2 1341.5,3115 R10_U_B2.2 1380,3178.5 C14_U_B2.1
"VC 8 A_U_B3": C14_U_B3.1 C15_U_B3.2 R10_U_B3.2 U3_U_B3.31 U3_U_B3.32
"VC 9 A_U_B1": C14_U_B1.2 D3_U_B1.A R9_U_B1.2 U3_U_B1.30
"VC 9 A_U_B2": C14_U_B2.2 D3_U_B2.A R9_U_B2.2 U3_U_B2.30 | length 92.4
  Top Layer w10: R9_U_B2.2 1361.5,3275 C14_U_B2.2
"VC 9 A_U_B3": C14_U_B3.2 D3_U_B3.A R9_U_B3.2 U3_U_B3.30
"VC 10B_U_B1": C13_U_B1.1 R8_U_B1.2 U3_U_B1.29
"VC 10B_U_B2": C13_U_B2.1 R8_U_B2.2 U3_U_B2.29 | length 95.7
  Top Layer w10: R8_U_B2.2 1375,3458.5 C13_U_B2.1
"VC 10B_U_B3": C13_U_B3.1 R8_U_B3.2 U3_U_B3.29
"VC 11_U_B1": U3_U_B1.28
"VC 11_U_B2": U3_U_B2.28
"VC 11_U_B3": U3_U_B3.28
pads on no net: P4.6 U3_U_B1.1 U3_U_B1.2 U3_U_B1.8 U3_U_B1.9 U3_U_B1.11 U3_U_B1.12 U3_U_B1.16 U3_U_B1.17 U3_U_B1.18 U3_U_B1.21 U3_U_B1.22 U3_U_B1.23 U3_U_B2.1 U3_U_B2.2 U3_U_B2.8 U3_U_B2.9 U3_U_B2.11 U3_U_B2.12 U3_U_B2.16 U3_U_B2.17 U3_U_B2.18 U3_U_B2.21 U3_U_B2.22 U3_U_B2.23 U3_U_B3.1 U3_U_B3.2 U3_U_B3.8 U3_U_B3.9 U3_U_B3.11 U3_U_B3.12 U3_U_B3.16 U3_U_B3.17 U3_U_B3.18 U3_U_B3.21 U3_U_B3.22 U3_U_B3.23 U4.2 U4.3 U4.4 U4.5 U4.6 U4.10 U4.11 U4.15 U4.16 U4.17 U4.18 U4.19 U4.25 U4.26 U4.27 U4.28 U4.29 U4.32 U4.33 U4.38 U4.39 U4.40 U4.41 U4.42 U4.43 U4.45 U4.46 U5.3
copper on no net:
  other v1: 6955,1075 6955,1175 6955,1370 6955,1470 6955,1680 6955,1780 6955,2015 6955,2115 6960,2745 6960,2845 3520,4785 3520,4885 49755,49805 49755,49905 50100,50260 50100,50360